# KiCad board AmigaPCI Mainboard.kicad_pcb (continued)
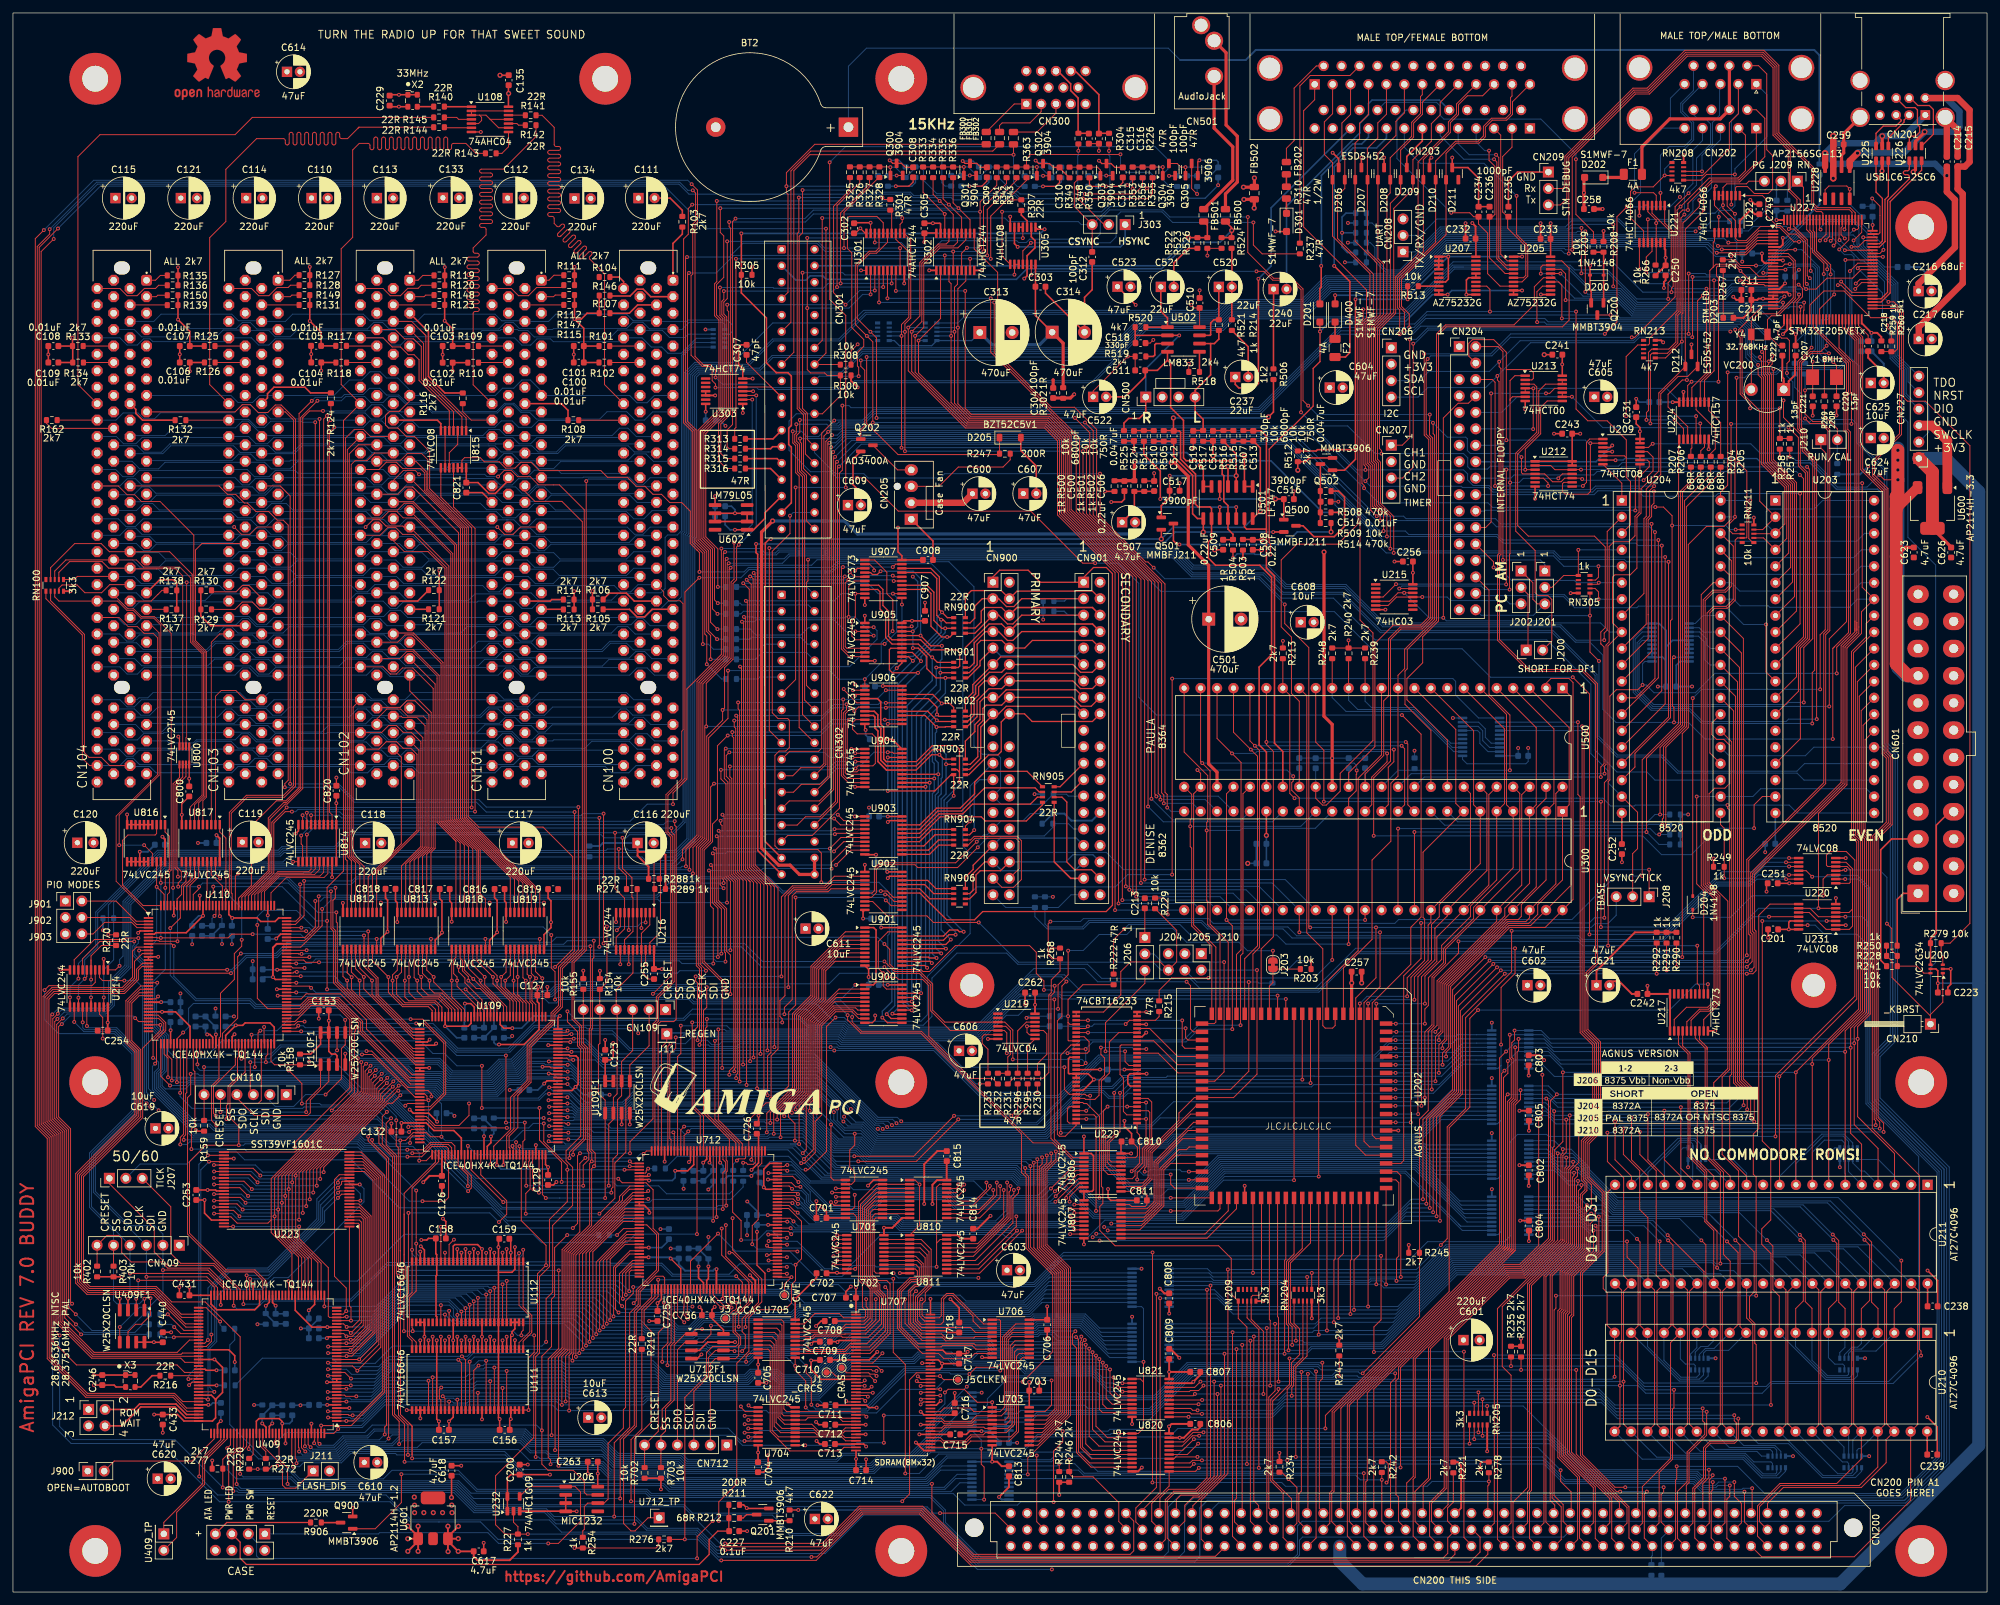
[diagram p0: board, top side]
## Routing (per net, layer and track width the routed paths; a pad name or vN(x,y) marks a point on that pad's centre or on a via; arc(x,y) is an arc through that point) (continued)
LVTT1: length 210.2
  Top w0.15: 57.69,25.99 57.69,25.78 57.4,25.49 57.4,24.25 ; 57.69,25.99 57.69,25.76 ; 57.69,25.99 57.69,66.82 54.84,69.67 v1(54.84,70.33) ; v1(45.96,22.37) 45.58,22.75 U409.139 ; U110.32 22.49,88.59 23.28,87.79 23.28,86.82 21.63,85.17 v1(21.63,82.48)
  Bottom w0.15: v1(21.63,82.48) 21.82,82.48 22.48,81.82 22.48,80.93 21.83,80.28 21.83,77.7 27.61,71.92 27.61,71.18 28.06,70.72 54.45,70.72 v1(54.84,70.33) ; v1(45.96,22.37) 46.27,22.06 49.84,22.06 51.28,23.5 56.56,23.5 v1(57.4,24.34) 57.62,24.56 78.92,24.56 80.1,23.39 91.07,23.39 93.37,21.09 103.15,21.09 104.11,20.13 127.21,20.13 128.21,21.12 138.7,21.12 141.3,23.73 141.3,24.88 145.92,29.5 U808.8
M0H: length 96.1
  Top w0.15: v1(254.67,118.54) 254.67,119.38 254.83,119.54 254.83,130.51 258.07,133.75 258.07,168.5 262.14,172.57 R204.2
  Bottom w0.15: 255.8,118.54 v1(254.67,118.54) 252.53,118.54 252.4,118.42 221.06,118.42 U300.9
M0V: length 115.6
  Top w0.15: U300.38 213.85,117.88 v1(213.86,117.89) ; R205.2 263.67,172.88 258.38,167.58 258.38,133.62 255.19,130.44 255.19,118 v1(254.18,116.98)
  Bottom w0.15: v1(213.86,117.89) 222.38,117.89 252.79,117.89 253.7,116.98 v1(254.18,116.98) R309.2
M1H: length 91.7
  Top w0.15: R206.2 260.6,172.72 257.77,169.89 257.77,133.87 254.31,130.41 v1(254.31,120.07)
  Bottom w0.15: R303.2 v1(254.31,120.07) 253.53,120.07 252.4,118.94 223.07,118.94 U300.8
M1V: length 111.5
  Top w0.15: R207.2 259.07,171.61 257.48,170.01 257.48,133.99 252.22,128.74 v1(252.22,117.35) ; U300.39 216.39,117.36 v1(216.38,117.37)
  Bottom w0.15: v1(216.38,117.37) 252.23,117.37 254.15,115.44 R312.2
OVL: length 265.4
  Top w0.15: v1(109.38,161.14) 109.38,144.79 104.06,139.47 104.06,125.54 101.91,123.39 v1(101.91,121.66) ; U204.2 246.15,163.76 246.15,148.54 245.69,148.07 245.69,147 v1(245.7,146.99) ; v1(44.72,119.95) 44.72,119.94 U814.9
  Bottom w0.15: v1(109.38,161.14) 115.43,161.14 116.11,160.45 117.74,160.45 118.18,160.9 179.53,160.9 182.15,158.27 193.54,158.27 196.54,155.28 205.7,155.28 211.63,149.35 238.99,149.35 241.36,146.98 245.69,146.98 v1(245.7,146.99) ; v1(44.72,119.95) 45.65,119.02 95.29,119.02 97.93,121.66 v1(101.91,121.66)
PAR: length 128.9
  Top w0.13: v1(20.26,115.33) 21.53,114.06 U816.17 ; v1(16.4,115.33) 16.4,119.96 22.56,126.13 22.56,148.11 21.46,149.21 CN104.A43
  Bottom w0.13: 61.42,149.37 75.08,149.37 76.04,150.33 76.97,150.33 78.24,149.06 81.43,149.06 ; 56.91,150.06 57.76,149.21 CN102.A43 ; 56.91,150.06 56.68,150.3 ; 56.91,150.06 56.65,150.33 55.11,150.33 54.15,149.37 41.1,149.37 ; 20.78,149.37 34.44,149.37 35.4,150.33 36.33,150.33 37.58,149.08 40.81,149.08 ; CN100.A43 98.39,149.21 97.28,150.32 96.37,150.32 95.42,149.37 81.74,149.37 ; v1(20.26,115.33) v1(16.4,115.33)
PAR_DA: length 26.9
  Top w0.15: U109.15 61.59,79.94 54.59,86.94 54.59,88.35 50.57,92.37 45.27,92.37 44.49,91.59 U110.83
PARITYDIR: length 87.7
  Top w0.15: v1(23.52,108.74) 23.52,110.98 24.14,111.6 24.14,116.72 23.48,117.38 U816.1 ; v1(61.31,69.34) 61.31,70.03 61.72,70.44 U109.34
  Bottom w0.15: v1(23.52,108.74) 23.52,96.15 21.57,94.2 21.57,87.12 23.08,85.62 23.08,80.68 22.43,80.03 22.43,77.95 28.11,72.27 30.43,72.27 31.16,71.54 55.37,71.54 56.12,70.78 56.56,70.78 58.13,69.21 60.71,69.21 60.85,69.36 61.29,69.36 v1(61.31,69.34)
PBUSY: length 297.3
  Top w0.15: v1(214.12,194.23) 214.11,194.24 214.11,197.97 213.79,198.29 213.79,202.97 217.76,206.94 D210.1 217.76,221.2 221.93,225.37 221.93,226.89 223.19,228.15 223.19,229.67 224.57,231.05 226.92,231.05 CN203.11 ; v1(266.98,194.72) 266.98,185.14 269.7,182.42 269.7,168.44 U203.2 270.17,164.06 RN211.9 ; CN302.18 121.91,135.52 121.91,172.22 121.15,172.98 121.15,177.14 120.7,177.59 120.7,178.74 120.95,178.98 v1(120.95,180.33)
  Bottom w0.15: v1(120.95,180.33) 121.79,180.33 125.66,180.33 125.92,180.07 127.44,180.07 127.74,180.37 131.44,180.37 133.05,181.98 192.66,181.98 204.92,194.23 v1(214.12,194.23) 216.12,194.23 217.36,195.47 266.22,195.47 v1(266.98,194.72) ; U203.2 U203.39
PCI0: length 66.7
  Top w0.15: U109.41 66.73,66.39 67.26,65.86 67.26,60.93 66.68,60.35 v1(63.23,60.35) ; U110.47 27.84,80.61 28.09,80.36 28.09,72.04 27.55,71.5 v1(27.55,68.4)
  Bottom w0.15: v1(27.55,68.4) 35.75,68.4 36.13,68.03 53.53,68.03 61.2,60.35 v1(63.23,60.35)
PCIAT0: length 60
  Top w0.15: U110.44 26.34,70.71 25.84,70.21 v1(25.84,69.12) ; U109.42 67.23,68.49 66.91,68.81 64.69,68.81 63.1,67.22 v1(60.9,67.22)
  Bottom w0.15: v1(60.9,67.22) 58.21,67.22 56.75,68.68 54.15,68.68 53.3,69.52 27.29,69.52 26.89,69.12 v1(25.84,69.12)
PCIAT1: length 59.1
  Top w0.15: v1(61.65,67.77) 61.88,67.77 63.23,67.77 64.57,69.1 67.24,69.1 67.73,68.61 U109.43 ; v1(26.37,69.82) 26.37,70.32 26.66,70.61 26.66,76.95 26.84,77.13 U110.45
  Bottom w0.15: v1(61.65,67.77) 58.08,67.77 56.87,68.98 54.27,68.98 53.43,69.82 v1(26.37,69.82)
PCIAT2: length 59.5
  Top w0.15: v1(32.97,73.04) 32.96,73.05 32.96,75.12 33.21,75.37 33.21,78.1 34.67,79.57 34.67,82.48 34.84,82.65 U110.61 ; U109.45 68.73,65.88 70.24,64.37 v1(70.24,62.68)
  Bottom w0.15: v1(32.97,73.04) 32.97,73.03 56.23,73.03 59,70.26 62.66,70.26 v1(70.24,62.68)
PCIBUFDIR: length 75.1
  Top w0.15: U819.1 v1(81.99,106.46) ; U109.28 63.8,73.44 65.18,72.06 68.87,72.06 70.41,73.6 v1(70.41,75.44) ; v1(73.6,106.46) 73.59,106.46 U818.1 ; U812.1 56.81,106.46 v1(56.81,106.46) ; v1(65.2,106.46) 65.19,106.45 U813.1
  In2.Cu w0.15: v1(70.41,75.44) 70.41,93.32 65.2,98.53 v1(65.2,106.46)
  Bottom w0.15: v1(56.81,106.46) v1(65.2,106.46) v1(73.6,106.46) 81.99,106.46 v1(81.99,106.46)
PCIDIR: length 68
  Top w0.15: v1(78.78,52.85) 78.77,52.84 U112.1 78.77,44.06 80.1,42.72 80.1,40.32 80.09,40.31 80.09,40.06 78.77,38.73 U111.1 ; U109.39 65.73,66.48 61.62,62.37 v1(61.62,52.84) 61.62,52.83 U112.28 61.62,46.27 60.9,45.54 60.9,39.52 61.62,38.79 U111.28
  Bottom w0.15: v1(61.62,52.84) 61.62,52.23 62.66,51.19 77.74,51.19 78.78,52.23 v1(78.78,52.85)
PCS0: length 70.5
  Top w0.15: U409.75 25.98,42.91 22.02,46.87 11.79,46.87 10.59,48.08 10.59,64.24 19.73,73.38 19.73,83.76 18.34,85.14 18.34,90.94 19.49,92.09 U110.25
PCS1: length 71.6
  Top w0.15: U409.76 26.05,42.41 21.89,46.57 11.67,46.57 10.28,47.95 10.28,64.37 19.43,73.51 19.43,83.63 18.04,85.02 18.04,91.07 19.52,92.54 20.88,92.54
PIXELSW: length 59
  Top w0.15: v1(121.34,215.33) 121.34,210.03 121.09,209.78 121.09,182.74 122.05,181.77 122.05,173.49 CN301.30 ; R301.1 134.53,215.04 v1(134.24,215.33)
  Bottom w0.15: v1(134.24,215.33) v1(121.34,215.33)
PORTSIZE: length 150.6
  Top w0.15: v1(43.78,19.88) 43.78,20.46 43.58,20.66 U409.135 ; CN200.a8 173.05,10.96 173.05,6.37 172.5,5.82 148.32,5.82 141.89,12.25 v1(141.89,16.71)
  Bottom w0.15: v1(141.89,16.71) 141.54,16.71 141.29,16.46 101.79,16.46 100.61,17.64 91.95,17.64 90.66,18.93 78.68,18.93 75.91,21.7 52.02,21.7 50.58,20.26 44.16,20.26 v1(43.78,19.88)
PotX0: length 179.8
  Top w0.15: U221.4 253.07,212.93 256.04,209.96 256.04,202.67 255.55,202.18 255.55,199.7 v1(255.57,199.67) ; v1(207.89,197.46) 207.89,196.73 207.64,196.48 207.64,166.69 207.69,166.65 207.69,164.94 204.56,161.81 198.26,161.81 195.82,159.37 195.82,149.04 197.4,147.46 197.4,138.76 198.61,137.55 U500.32 ; v1(275.77,200.36) 275.77,199.9 274.95,199.08 U227.29
  Bottom w0.15: v1(275.77,200.36) 275.23,200.91 265.56,200.91 264.33,199.67 v1(255.57,199.67) 250.71,199.67 246.22,204.16 241.14,204.16 240.41,204.9 222.29,204.9 214.85,197.46 v1(207.89,197.46) ; C205.1 198.6,124.35
PotX1: length 184.5
  Top w0.15: v1(245.79,194.28) 247.66,196.15 247.66,212.37 v1(249.18,213.89) ; v1(217.9,191.2) 217.9,178.66 218.6,177.96 218.6,150.57 217.34,149.31 213.01,149.31 213.01,149.2 210.29,146.47 210.29,130.55 206.23,126.5 U500.35 ; v1(282.78,210.42) 282.95,210.59 U227.81
  In2.Cu w0.15: v1(257.38,215.42) 257.42,215.46 261.86,215.46 263.69,213.63 266.14,213.63 267.32,212.46 270.69,212.46 271.27,213.03 273.67,213.03 276.89,209.81 282.18,209.81 v1(282.78,210.42)
  Bottom w0.15: v1(217.9,191.2) 217.9,191.19 228.17,191.19 231.25,194.28 v1(245.79,194.28) ; v1(257.38,215.42) 255.85,213.89 v1(249.18,213.89) 251.29,216 251.29,222.6 254.75,226.06 CN202.14 ; C203.1 206.25,124.35
PotY0: length 181
  Top w0.15: v1(256.07,200.72) 256.07,201.35 256.34,201.62 256.34,210.09 255.02,211.4 U221.1 ; v1(208.46,198.07) 208.46,196.68 207.99,196.2 207.99,150.1 209.99,148.1 209.99,131.48 204.93,126.43 204.93,123.67 202.78,121.52 202.2,121.52 201.15,122.57 U500.33 ; U227.30 275.45,199.16 276.3,200 276.3,201.29 v1(275.7,201.88)
  Bottom w0.15: 274.13,201.5 265.31,201.5 264.53,200.72 v1(256.07,200.72) 251.64,200.72 246.96,205.4 222.37,205.4 215.03,198.07 v1(208.46,198.07) ; 274.13,201.5 275.33,201.5 v1(275.7,201.88) ; 274.13,201.5 275.18,201.5 ; C204.1 201.14,124.35
PotY1: length 174.2
  Top w0.15: U227.88 279.45,212.92 279.2,213.17 278.43,213.17 278.1,213.5 v1(277.06,213.5) ; v1(249.94,193.75) 250.39,193.75 256.64,200 256.64,213.93 v1(258.71,216.01) ; v1(218.43,190.41) 218.2,190.18 218.2,178.78 218.9,178.08 218.9,150.44 217.47,149.01 214.19,149.01 212.39,147.21 212.39,138.36 211.64,137.61 211.64,129.17 208.77,126.3 U500.36
  In2.Cu w0.15: v1(277.06,213.5) 276.38,213.5 276.22,213.33 271.14,213.33 270.57,212.76 267.55,212.76 264.31,216.01 v1(258.71,216.01)
  Bottom w0.15: v1(258.71,216.01) 259.95,217.24 259.95,221.42 262.1,223.57 262.1,226.72 261.3,227.52 260.08,227.52 259.48,228.13 CN202.18 ; C202.1 208.78,124.35 ; v1(218.43,190.41) 218.92,190.89 228.35,190.89 231.2,193.75 249.94,193.75 v1(249.94,193.75)
POW_SW: length 487.9
  Top w0.15: v1(281.98,207.32) 283.45,208.79 U227.80 ; v1(108.05,10.97) 105.63,8.55 v1(105.63,5.2)
  Bottom w0.15: v1(105.63,5.2) 105.62,5.19 38,5.19 37.62,5.57 37.62,7.7 CN_CASE1.3 ; v1(281.98,207.32) 282.79,206.51 283.91,206.51 284.25,206.16 284.25,203.08 283.93,202.75 283.93,190.42 285,189.34 285,177.57 289.33,173.24 289.33,131.18 290.99,129.52 290.99,85.37 288.28,82.66 288.28,76.3 298.97,65.61 298.97,19.92 292.39,13.35 282.8,13.35 280.38,10.93 199.05,10.93 198.34,10.22 198.34,5.84 196.84,4.34 149.01,4.34 140.85,12.5 131.12,12.5 127.66,9.04 120.08,9.04 117.24,11.88 108.96,11.88 v1(108.05,10.97)
PPD0: length 281.9
  Top w0.15: v1(208.82,173.28) 208.82,173.82 208.58,174.06 208.58,195.96 209.52,196.89 209.52,203.6 203.74,209.38 D206.1 203.74,220.73 202.48,221.99 202.48,227.01 203.75,228.28 CN203.2 ; CN302.23 120.41,126.05 121.65,127.29 124.58,127.29 125.21,127.92 125.21,178.5 v1(125.88,179.17) ; v1(253.4,170.78) 252.71,170.09 252.71,166.2 252.18,165.66 252.18,149.46 U204.10
  Bottom w0.15: v1(125.88,179.17) 126.18,179.47 127.68,179.47 127.98,179.77 201.01,179.77 207.5,173.28 v1(208.82,173.28) 223.98,173.28 224.6,172.66 224.6,171.73 225.45,170.88 227.91,170.88 228.56,170.22 243.78,170.22 244.33,170.78 v1(253.4,170.78)
PPD1: length 279.8
  Top w0.15: U204.11 252.48,147.23 252.48,150.92 252.48,150.92 252.48,165.54 253.01,166.07 253.01,167.77 253.01,167.77 253.37,168.13 v1(253.37,169.97) ; CN203.3 206.52,228.17 205.19,226.84 205.19,221.92 205.64,221.47 D206.2 205.64,216.75 204.52,215.63 204.52,209.02 210.04,203.5 210.04,196.99 208.88,195.83 208.88,174.18 209.35,173.72 209.35,172.06 v1(208.82,171.54) ; CN302.24 125.51,127.8 125.51,177.68 v1(126.47,178.64)
  Bottom w0.15: v1(253.37,169.97) 251.78,169.97 251.32,170.43 244.48,170.43 243.9,169.85 228.52,169.85 227.79,170.57 223.79,170.57 223.61,170.75 209.6,170.75 v1(208.82,171.54) 201.01,179.34 127.98,179.34 127.28,178.64 v1(126.47,178.64)
PPD2: length 289.2
  Top w0.15: CN302.25 120.51,123.51 121.73,124.73 124.56,124.73 125.81,125.98 125.81,177.24 v1(126.04,177.47) ; CN203.4 209.29,228.17 207.92,226.8 207.92,224.42 207.22,223.72 207.22,208.6 210.57,205.26 210.57,197.09 209.19,195.71 209.19,174.31 209.64,173.85 209.64,167.05 v1(210.57,166.13) ; U204.12 253,145.21 v1(253,164.95)
  Bottom w0.15: v1(253,164.95) 252.99,164.94 229.7,164.94 228.89,165.76 215.09,165.76 214.72,166.13 v1(210.57,166.13) 197.96,178.74 128.3,178.74 127.03,177.47 v1(126.04,177.47)
PPD3: length 288
  Top w0.15: v1(126.34,176.79) 126.11,176.55 126.11,125.86 CN302.26 ; U204.13 250.53,138.08 253.52,141.08 v1(253.52,163.67) ; CN203.5 212.06,228.19 210.73,226.86 210.73,224.53 209.12,222.92 209.12,207.13 211.09,205.16 211.09,197.19 209.49,195.58 209.49,174.43 209.94,173.97 209.94,167.64 211.09,166.49 v1(211.09,165.45)
  Bottom w0.15: v1(253.52,163.67) 252.69,164.5 229.06,164.5 228.11,165.46 215.24,165.46 215.23,165.45 v1(211.09,165.45) 210.51,165.45 197.52,178.44 128.42,178.44 126.77,176.79 v1(126.34,176.79)
PPD4: length 297.7
  Top w0.15: U204.14 254.05,141.18 v1(254.05,162.45) ; v1(126.63,176.04) 126.41,175.81 126.41,124.04 124.53,122.16 119.87,122.16 CN302.27 ; CN203.6 214.83,228.39 213.53,227.09 213.53,224.92 210.75,222.14 D208.1 210.75,205.92 211.62,205.06 211.62,197.29 209.79,195.46 209.79,174.56 210.25,174.1 210.25,167.76 211.62,166.39 v1(211.62,163.84)
  Bottom w0.15: v1(126.63,176.04) 128.74,178.14 196.66,178.14 210.96,163.84 v1(211.62,163.84) 214.98,163.84 215.51,163.3 229.18,163.3 230.03,162.45 254.04,162.45 v1(254.05,162.45)
PPD5: length 296
  Top w0.15: U204.15 254.57,139.16 v1(254.57,161.59) ; v1(212.14,163) 212.14,166.29 210.55,167.89 210.55,174.22 210.08,174.68 210.08,195.33 212.14,197.39 212.14,215.54 212.65,216.05 D208.2 212.65,221.48 215.96,224.79 215.96,226.95 217.32,228.31 217.32,230.93 217.6,231.21 CN203.7 ; CN302.28 126.71,123.92 126.71,175.07 v1(126.93,175.29)
  Bottom w0.15: v1(126.93,175.29) 129.48,177.84 196.54,177.84 211.38,163 v1(212.14,163) 215.94,163 215.95,163 229.05,163 230.09,161.96 250.57,161.96 250.94,161.59 v1(254.57,161.59)
PPD6: length 307.9
  Top w0.15: CN302.29 121.08,118.43 122.36,119.71 124.62,119.71 127.01,122.1 127.01,174.32 v1(127.23,174.54) ; U204.16 255.1,137.15 v1(255.1,159.82) ; CN203.8 217.62,230.06 217.62,228.19 216.26,226.83 216.26,224.67 214.26,222.66 D209.1 214.26,216.03 212.67,214.44 212.67,197.49 210.38,195.21 210.38,174.81 210.85,174.35 210.85,168.01 212.67,166.19 v1(212.67,161.11)
  Bottom w0.15: v1(127.23,174.54) 130.23,177.54 196.41,177.54 211.48,162.47 211.48,162.3 v1(212.67,161.11) 214.4,161.11 214.75,160.76 237.95,160.76 238.9,159.82 255.09,159.82 v1(255.1,159.82)
PPD7: length 308.2
  Top w0.15: v1(213.19,160.46) 213.19,166.09 211.14,168.13 211.14,174.47 210.69,174.93 210.69,195.09 213.19,197.59 213.19,213.66 216.16,216.63 D209.2 216.16,221.19 219,224.03 219,226.74 220.37,228.11 220.37,230.04 CN203.9 ; v1(127.53,173.8) 127.31,173.58 127.31,121.98 CN302.30 ; v1(255.62,159.09) 255.62,135.13 U204.17
  Bottom w0.15: v1(127.53,173.8) 130.97,177.24 196.29,177.24 204.12,169.41 204.12,167.87 204.56,167.43 206.1,167.43 209.6,163.92 209.6,162.89 212.03,160.46 v1(213.19,160.46) 213.19,160.46 237.82,160.46 238.83,159.46 248.8,159.46 249.17,159.09 v1(255.62,159.09)
PPDMA: length 32.5
  Top w0.15: U110.8 22.51,100.59 22.61,100.49 25.4,100.49 v1(25.41,100.48) ; U800.5 25.71,125.79 24.72,124.8 v1(24.72,108.75)
  Bottom w0.15: v1(25.41,100.48) 25.41,105.29 24.72,105.97 v1(24.72,108.75)
PPIO: length 92.4
  Top w0.15: U110.16 19.91,96.59 19.37,96.04 19.37,94.57 17.23,92.43 6.43,92.43 5.55,91.55 5.55,72.76 7.4,70.91 7.4,41.72 12.4,36.71 25.97,36.71 26.17,36.91 U409.87
PPOUT: length 308.2
  Top w0.15: v1(269.45,189.49) 269.45,187.98 270,187.43 270,174.15 273.57,170.58 273.57,164.92 U203.3 ; CN203.12 231.45,231.01 231.23,230.79 231.23,228.3 230.51,227.58 228.29,227.58 227.04,226.33 227.04,224.85 226.22,224.03 222.72,224.03 219.66,220.98 D210.2 219.66,208.42 214.09,202.84 214.09,198.42 214.84,197.67 v1(214.84,194.76) ; v1(121.49,180.98) 121.49,179.1 121,178.61 121,177.71 121.45,177.26 121.45,173.11 122.23,172.34 122.23,137.74 CN302.16 ; RN211.8 272.06,163.42
  Bottom w0.15: v1(269.45,189.49) 267.86,191.08 267.86,195 266.71,196.15 237.03,196.15 236.51,196.67 218.13,196.67 216.22,194.76 v1(214.84,194.76) 205.02,194.76 192.54,182.28 132.93,182.28 131.32,180.67 127.51,180.67 127.21,180.37 126.58,180.37 125.97,180.98 v1(121.49,180.98) ; U203.3 270.7,164.91 270.7,166.81 271.13,167.24 278.09,167.24 279.41,168.56 U203.40
PR_W: length 138.9
  Top w0.15: U712.119 111.12,58.66 112.42,57.36 v1(112.42,54.36) ; U202.22 v1(197.8,63.6)
  Bottom w0.15: 141.5,55.21 137.01,55.21 ; 141.5,55.21 134.07,55.21 128.76,49.91 125.34,49.91 121.08,54.16 118.81,54.16 117.2,55.77 116.39,55.77 114.97,54.36 v1(112.42,54.36) ; 141.5,55.21 152.91,55.21 153.37,54.75 165.93,54.75 168.59,57.42 180.73,57.42 186.91,63.6 v1(197.8,63.6)
PS_ON: length 128.6
  Top w0.15: v1(289.57,199.22) 290.4,199.22 291.88,197.75 291.88,184.51 292.5,183.89 295.29,183.89 302.15,177.03 302.15,103.25 299.1,100.2 R279.1 297.71,98.38 297.97,98.13 U200.3 ; U227.83 281.95,208.84 v1(282.03,208.76)
  Bottom w0.15: v1(282.03,208.76) 282.08,208.76 285.29,205.55 285.78,205.55 288.97,202.37 288.97,199.82 v1(289.57,199.22)
PSEL: length 300.9
  Top w0.15: v1(126.8,180.89) 124.87,178.96 124.87,130.31 124.38,129.82 119.91,129.82 CN302.21 ; v1(269.75,190.7) 269.75,190.34 269.98,190.11 269.98,187.88 270.3,187.55 270.3,174.27 273.87,170.7 273.87,162.69 U203.4 270.29,162.78 RN211.7 ; v1(215.59,195.28) 215.59,197.34 214.39,198.54 214.39,202.72 221.27,209.6 D211.1 221.27,222.16 222.84,223.73 226.34,223.73 227.34,224.73 227.34,226.21 228.41,227.28 230.63,227.28 231.53,228.18 231.53,230.12 CN203.13 ; Q200.3 v1(246.67,197.2)
  Bottom w0.15: v1(126.8,180.89) 126.88,180.97 131.19,180.97 132.8,182.58 192.42,182.58 205.12,195.28 v1(215.59,195.28) 216.32,195.28 218.24,197.2 v1(246.67,197.2) 247.67,197.2 248.12,196.75 266.96,196.75 268.46,195.25 268.46,191.33 269.09,190.7 v1(269.75,190.7)
PSTROBE: length 277.9
  Top w0.15: v1(208.62,170.45) 208.62,170.87 208.29,171.2 208.29,196.08 208.99,196.79 208.99,201.07 199.28,210.79 199.28,228.73 200.98,230.44 CN203.1 ; U204.18 250.44,127.41 250.44,129.52 255.92,135.01 255.92,149.98 256.17,150.23 v1(256.17,164.69) 256.17,166.2 254.83,167.54 v1(253.58,167.54) ; RN211.2 v1(265.98,164.06) ; CN301.36 122.53,165.4 122.53,172.46 121.75,173.24 121.75,177.39 121.53,177.61 v1(121.53,178.12)
  Bottom w0.15: v1(121.53,178.12) 127.24,178.12 128.16,179.04 200.03,179.04 v1(208.62,170.45) 210.88,168.19 215.41,168.19 215.42,168.2 227.73,168.2 228.45,167.48 249.49,167.48 249.54,167.54 v1(253.58,167.54) ; v1(256.17,164.69) 264.46,164.69 265.09,164.06 v1(265.98,164.06)
PWR_LED: length 87.6
  Top w0.2: CN_CASE1.5 35.08,7.7 35.08,5.22 36.04,4.26 105.94,4.26 107.49,5.81 107.49,8.08 108.82,9.41 C227.1 ; R212.2 110.53,9.46
R0: length 100.8
  Top w0.15: v1(108.84,155.21) 108.84,161.07 106.97,162.94 106.97,178.9 110.21,182.13 110.21,196.91 109.75,197.36 109.75,199.19 110.29,199.73 110.29,208.55 v1(110.27,208.57) ; v1(128.31,207.53) 128.31,213.06 133.67,218.42 ; v1(136.97,207.53) 136.97,207.53 U301.9
  Bottom w0.15: R317.2 v1(108.84,155.21) ; v1(110.27,208.57) 124.28,208.57 125.31,207.53 v1(136.97,207.53)
R1: length 101.3
  Top w0.15: U301.7 135.67,202.08 v1(135.67,202.08) ; R327.1 132.26,217.43 127.79,212.96 v1(127.79,202.08) ; v1(109.16,201.44) 109.16,201.44 109.16,197.11 109.6,196.66 109.6,182.38 106.38,179.15 106.38,162.69 108.01,161.05 108.01,151.81 v1(108.78,151.05)
  Bottom w0.15: v1(135.67,202.08) v1(127.79,202.08) 125.87,202.08 125.12,201.33 117.47,201.33 117.36,201.44 v1(109.16,201.44) ; R318.2 v1(108.78,151.05)
R2: length 97.8
  Top w0.15: v1(108.83,152.7) 108.31,153.21 108.31,161.17 106.68,162.81 106.68,179.03 109.91,182.26 109.91,196.79 109.46,197.24 109.46,199.32 109.76,199.62 v1(109.76,200.89) ; v1(127.24,201.51) 127.24,214.1 130.74,217.6 R326.1 ; v1(134.37,201.51) 134.37,201.51 U301.5
  Bottom w0.15: v1(134.37,201.51) v1(127.24,201.51) 126.62,200.89 v1(109.76,200.89) ; R319.2 v1(108.83,152.7)
R3: length 76.1
  Top w0.15: v1(110.28,198.79) 110.28,197.94 110.5,197.72 110.5,182.01 108.95,180.45 108.95,174.69 110.15,173.49 R316.2 ; R325.1 129.23,216.51 126.7,213.98 126.7,200.64 v1(128.55,198.79) ; v1(133.07,200.99) 133.07,200.99 U301.3
  Bottom w0.15: v1(110.28,198.79) v1(128.55,198.79) 130.75,200.99 v1(133.07,200.99)
R_W: length 339.8
  Top w0.15: v1(198.94,33.99) 198.93,33.98 198.93,15.58 198.54,15.19 198.54,10.87 CN200.b19 ; v1(260.06,99.81) 260.06,93.97 260.4,93.63 260.4,92.36 ; U227.36 278.45,195.19 283.7,189.94 283.7,185.16 283.3,184.76 283.3,179.54 283.7,179.14 283.7,148.01 281.59,145.9 v1(281.59,141.86) ; v1(223.19,100.47) 223.19,98.66 219.4,94.87 219.4,87.45 218.52,86.57 218.52,74.36 217.18,73.02 217.18,42.56 v1(208.4,33.77) ; v1(251.62,140.07) 250.88,139.33 247.56,139.33 246.56,138.34 246.56,125.41 246.3,125.14 246.3,99.82 v1(246.29,99.81)
  Bottom w0.15: v1(208.4,33.77) 207.95,33.77 207.73,34 204.23,34 203.68,33.45 200.92,33.45 200.16,34.21 199.5,34.21 199.27,33.99 v1(198.94,33.99) 198.05,33.99 197.82,34.21 181.77,34.21 175.61,28.05 155.59,28.05 155.09,27.55 U808.16 ; v1(281.59,141.86) 262.77,141.86 259.78,138.87 253.38,138.87 252.18,140.07 v1(251.62,140.07) 251.62,143.34 251.98,143.7 U201.1 ; v1(260.06,99.81) v1(246.29,99.81) 242.36,99.81 241.7,100.47 v1(223.19,100.47)
R_WB: length 227.4
  Top w0.15: v1(134.46,27.27) 134.46,23.06 v1(134.47,23.05) ; v1(47.34,22.88) 47.08,23.14 U409.142 ; U701.1 133.21,57.77 132.97,57.53 132.97,49.54 133.26,49.25 U702.1 135.95,49.25 v1(135.96,49.24) ; v1(143.89,30.82) 144.38,31.31 146.87,31.31 148.88,29.31 v1(151.19,29.31) 151.19,29.31 U703.1 ; v1(88.38,67.04) 87.53,66.18 87.53,55.62 84.79,52.88 84.79,37.71 83.18,36.1 83.18,24.22 v1(83.17,24.21) ; U704.1 122.32,22.66 v1(122.33,22.66) ; U712.144 97.82,68.11 v1(97.37,67.66)
  In3.Cu w0.15: v1(143.89,30.82) 143.89,34.38 149.06,39.55 v1(149.06,48.51)
  Bottom w0.15: v1(135.96,49.24) 136.69,48.51 v1(149.06,48.51) ; 151.17,27.6 151.77,28.2 U808.15 ; 151.17,27.6 151.19,27.62 v1(151.19,29.31) ; 151.17,27.6 150.47,26.9 U808.4 ; v1(134.47,23.05) 130.31,23.05 129.92,22.66 v1(122.33,22.66) 112.64,22.66 111.09,24.21 v1(83.17,24.21) 80.12,24.21 79.17,25.16 55.74,25.16 54.67,24.1 50.94,24.1 49.5,22.66 47.56,22.66 v1(47.34,22.88) ; v1(88.38,67.04) 96.27,67.04 96.89,67.66 v1(97.37,67.66) ; v1(134.46,27.27) 142.1,27.27 143.89,29.06 v1(143.89,30.82)
R_WC: length 236.4
  Top w0.15: v1(155.89,32.46) 160.53,37.1 160.53,49 156.44,53.09 156.44,64.07 155.71,64.79 155.71,70.74 140.16,86.3 130.91,86.3 128.87,88.34 v1(128.87,89.08) ; v1(83.7,91.49) 83.7,95.78 83.12,96.36 v1(83.12,101.45) ; U109.17 61.31,78.94 53.69,86.57 53.69,87.98 50.2,91.47 45.64,91.47 44.26,90.09 U110.80 39.33,90.09 37.73,91.69 v1(37.73,103.01)
  Bottom w0.15: v1(37.73,103.01) 37.73,104.3 38.68,105.25 43.78,105.25 46.32,102.7 81.87,102.7 v1(83.12,101.45) ; U808.5 149.09,27.55 150.45,28.91 150.45,29.84 153.07,32.46 155.88,32.46 v1(155.89,32.46) ; v1(83.7,91.49) 84.01,91.81 104.48,91.81 105.16,91.13 126.82,91.13 v1(128.87,89.08)
RAMCLK: length 89.9
  Top w0.15: 138.44,22.44 138.44,32.78 139.51,33.85 U707.68 ; 138.44,22.44 138.44,15.15 v1(137.31,14.02) ; 138.44,22.44 138.44,21.43 ; v1(95.43,14.02) 95.43,23.53 97.1,25.2 R219.2
  Bottom w0.15: v1(137.31,14.02) v1(95.43,14.02)
RAWLEFT: length 145.5
  Top w0.25: 188.44,177.7 191.45,177.7 ; v2(177.31,162.61) 177.31,164.03 ; C513.1 192.59,176.68 v2(192.59,166.93) 191.43,165.76 ; CN302.33 116.16,115.88 116.16,161.98 116.79,162.61 v1(117.01,162.61)
  Bottom w0.25: v1(117.01,162.61) v2(177.31,162.61) 179.11,164.41 190.06,164.41 v2(192.59,166.93)
RAWRIGHT: length 154.4
  Top w0.25: Q500.2 194.62,163.69 194.62,163.69 ; C512.1 179.22,175.36 182.14,172.44 182.14,166.51 182.88,165.76 U501.8 v2(183.79,163.68) ; v1(114.73,161.84) 114.73,160.51 114.99,160.25 114.99,114.5 CN302.35 ; R510.1 179.17,177.7
  Bottom w0.25: v1(114.73,161.84) 177.59,161.84 179.43,163.68 v2(183.79,163.68) 183.8,163.69 194.57,163.69 v1(194.58,163.68)
RED: length 66.8
  Top w0.15: FB300.2 123.81,223.56 119.42,219.17 v1(119.42,217.08) 119.42,216.08 119.67,215.83 119.67,200.7 CN301.7
  Bottom w0.15: R332.2 119.43,217.09 v1(119.42,217.08)
RESET_BTN: length 65.8
  Top w0.15: U232.4 79.75,16.27 U206.1 86.81,16.27 87.62,15.46 87.62,10.92 84.21,7.51 v1(82.65,7.51)
  Bottom w0.15: v1(82.65,7.51) 74.98,7.51 73.32,9.17 56.62,9.17 56.43,8.98 CN_CASE1.1
RGA1: length 64.4
  Top w0.15: U202.33 185.49,87.78 185.73,88.02 185.73,99.58 182.3,103.02 182.3,123.26 U500.26 183.37,126.44 v1(182.88,126.93) ; U300.17 198.61,122.64 197.44,123.8 197.44,125.01 197.67,125.23 v1(197.67,125.97)
  Bottom w0.15: v1(182.88,126.93) 196.71,126.93 v1(197.67,125.97)
RGA2: length 57.3
  Top w0.15: U500.25 182,123.17 182,119.49 181.77,119.27 181.77,115.1 182,114.88 182,102.85 185.1,99.74 U202.32
  Bottom w0.15: v1(181.77,118.24) 181.77,118.24 198.84,118.24 U300.16
RGA3: length 73.3
  Top w0.15: U202.31 186.37,101.19 184.47,103.09 184.47,106.58 184.31,106.74 v1(184.31,117.61) 184.31,118.83 184.47,118.99 184.47,126.08 180.83,129.72 U500.24
  Bottom w0.15: U300.15 201.08,117.94 189.81,117.94 189.48,117.61 v1(184.31,117.61)
RGA4: length 83.6
  Top w0.15: v1(207.47,126.87) 207.47,126.29 207.39,126.21 207.39,123.73 206.23,122.56 U300.14 ; U202.30 187.64,100.34 184.83,103.15 184.83,126.79 v1(183.62,128) 183.37,128.25 U500.23
  Bottom w0.15: v1(183.62,128) 207.08,128 207.47,127.61 v1(207.47,126.87)